# Altium PCB VALVEBOARD_Kun.PcbDoc (part 8 of 13)
Units mil, origin at the board's own origin, x right, y up, seen from the top; angles counter-clockwise.
Board outline 10923.41 x 5583.88 mil, 2 copper layers (Top Layer, Bottom Layer), stack 10.8 mil thick; 1127 components, 626 nets, 3503 pads, 1418 vias.
Unrouted connection lines stored in the file: 1.
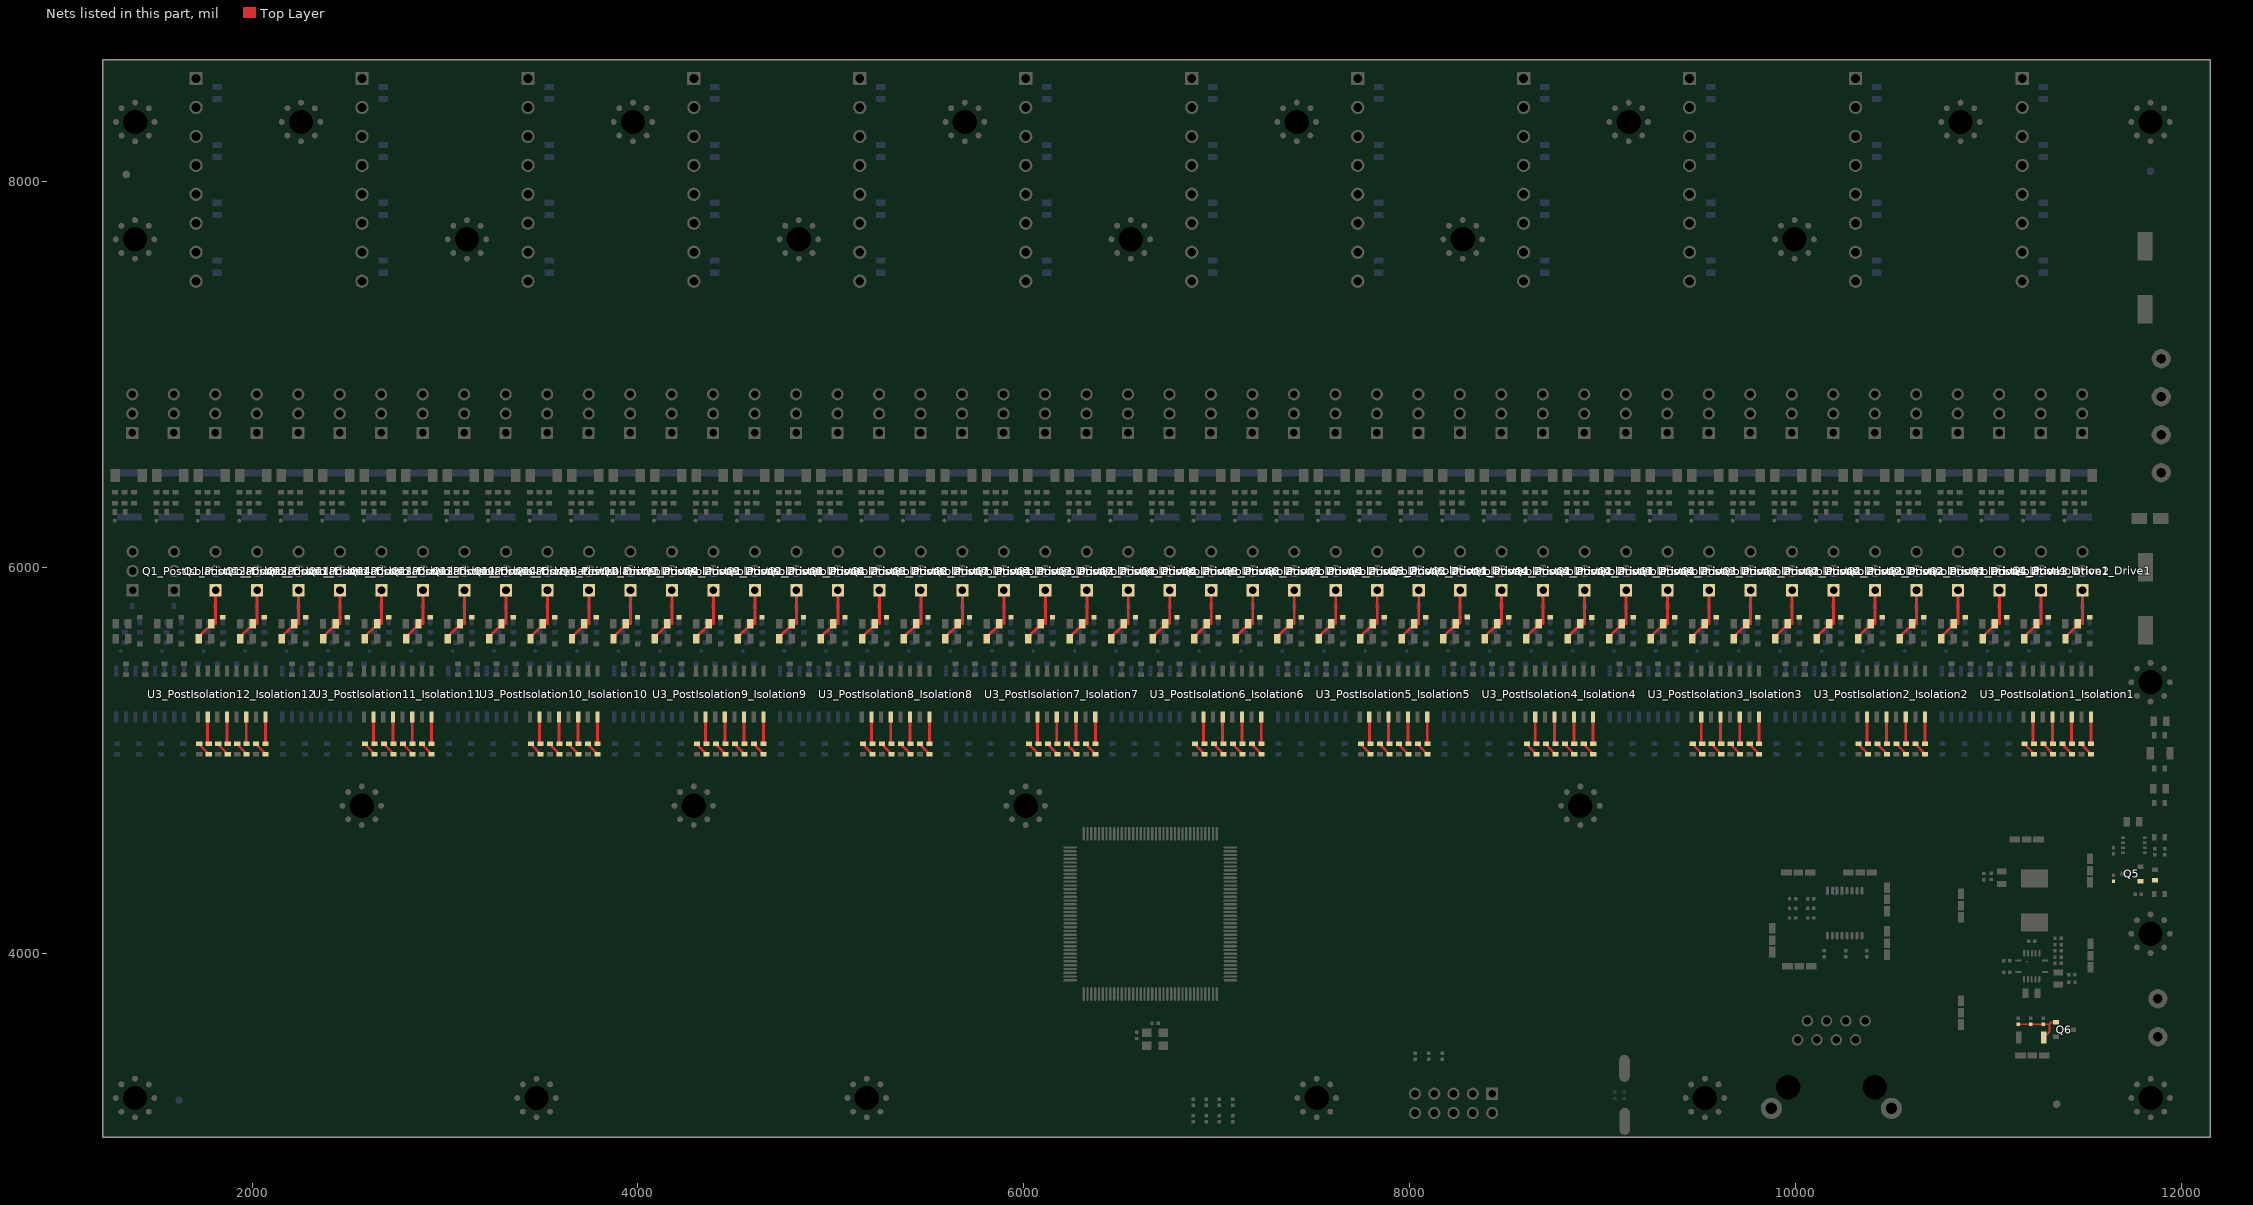
[diagram p8: the nets of this part, all layers, seen from the top]

## Via types
v1: diameter 19.68, hole 11.81, Top Layer to Bottom Layer, tented both sides, 1364 vias
v2: diameter 19.68, hole 11.81, Top Layer to Bottom Layer, 54 vias

## Nets (pads, with @x,y where several pads share a name; then routed paths per layer and width w, separated by ;. In a path a pad name is that pad's centre, name@x,y a point inside that pad or via, vN(x,y) a via of type N, cw(c..) or ccw(c..) an arc to the next point about the centre after c; other vN are vias at no path point) (continued)
NetC40_2: C40.2 D11.1 Q6.G R41.1 R45.2 | length 281.1
  Top Layer w10: C40.2@11153.78,3633.15 R45.2@11218.07,3633.15 R41.1@11282.36,3633.15 11315.67,3633.15 ; D11.1@11285.98,3564.73 11316.31,3595.06 11316.31,3635.24 11323.41,3642.34 Q6.G@11349.52,3642.34
NetC41_2: C41.2 Q5.G R44.1
NetD1_PostIsolation1_Isolation1_1: D1_PostIsolation1_Isolation1.1 R18_PostIsolation1_Isolation1.2 | length 69.5
  Top Layer w12: R18_PostIsolation1_Isolation1.2@11186.98,5082.41 D1_PostIsolation1_Isolation1.1@11236.1,5033.29
NetD1_PostIsolation1_Isolation1_2: D1_PostIsolation1_Isolation1.2 U3_PostIsolation1_Isolation1.2 | length 139.3
  Top Layer w15: U3_PostIsolation1_Isolation1.2@11230.68,5224.44 11230.68,5092.83 D1_PostIsolation1_Isolation1.2@11236.1,5087.41
NetD1_PostIsolation2_Isolation2_1: D1_PostIsolation2_Isolation2.1 R18_PostIsolation2_Isolation2.2 | length 69.5
  Top Layer w12: R18_PostIsolation2_Isolation2.2@10326.85,5082.43 D1_PostIsolation2_Isolation2.1@10375.97,5033.31
NetD1_PostIsolation2_Isolation2_2: D1_PostIsolation2_Isolation2.2 U3_PostIsolation2_Isolation2.2 | length 139.3
  Top Layer w15: U3_PostIsolation2_Isolation2.2@10370.56,5224.46 10370.56,5092.84 D1_PostIsolation2_Isolation2.2@10375.97,5087.43
NetD1_PostIsolation3_Isolation3_1: D1_PostIsolation3_Isolation3.1 R18_PostIsolation3_Isolation3.2 | length 69.5
  Top Layer w12: R18_PostIsolation3_Isolation3.2@9466.79,5082.43 D1_PostIsolation3_Isolation3.1@9515.91,5033.31
NetD1_PostIsolation3_Isolation3_2: D1_PostIsolation3_Isolation3.2 U3_PostIsolation3_Isolation3.2 | length 139.3
  Top Layer w15: U3_PostIsolation3_Isolation3.2@9510.5,5224.46 9510.5,5092.84 D1_PostIsolation3_Isolation3.2@9515.91,5087.43
NetD1_PostIsolation4_Isolation4_1: D1_PostIsolation4_Isolation4.1 R18_PostIsolation4_Isolation4.2 | length 69.5
  Top Layer w12: R18_PostIsolation4_Isolation4.2@8606.79,5082.86 D1_PostIsolation4_Isolation4.1@8655.91,5033.73
NetD1_PostIsolation4_Isolation4_2: D1_PostIsolation4_Isolation4.2 U3_PostIsolation4_Isolation4.2 | length 139.3
  Top Layer w15: U3_PostIsolation4_Isolation4.2@8650.49,5224.89 8650.49,5093.27 D1_PostIsolation4_Isolation4.2@8655.91,5087.86
NetD1_PostIsolation5_Isolation5_1: D1_PostIsolation5_Isolation5.1 R18_PostIsolation5_Isolation5.2 | length 69.5
  Top Layer w12: R18_PostIsolation5_Isolation5.2@7746.73,5082.41 D1_PostIsolation5_Isolation5.1@7795.85,5033.29
NetD1_PostIsolation5_Isolation5_2: D1_PostIsolation5_Isolation5.2 U3_PostIsolation5_Isolation5.2 | length 139.3
  Top Layer w15: U3_PostIsolation5_Isolation5.2@7790.43,5224.44 7790.43,5092.83 D1_PostIsolation5_Isolation5.2@7795.85,5087.41
NetD1_PostIsolation6_Isolation6_1: D1_PostIsolation6_Isolation6.1 R18_PostIsolation6_Isolation6.2 | length 69.5
  Top Layer w12: R18_PostIsolation6_Isolation6.2@6886.66,5082.41 D1_PostIsolation6_Isolation6.1@6935.79,5033.29
NetD1_PostIsolation6_Isolation6_2: D1_PostIsolation6_Isolation6.2 U3_PostIsolation6_Isolation6.2 | length 139.3
  Top Layer w15: U3_PostIsolation6_Isolation6.2@6930.37,5224.44 6930.37,5092.83 D1_PostIsolation6_Isolation6.2@6935.79,5087.41
NetD1_PostIsolation7_Isolation7_1: D1_PostIsolation7_Isolation7.1 R18_PostIsolation7_Isolation7.2 | length 69.5
  Top Layer w12: R18_PostIsolation7_Isolation7.2@6026.6,5082.41 D1_PostIsolation7_Isolation7.1@6075.72,5033.29
NetD1_PostIsolation7_Isolation7_2: D1_PostIsolation7_Isolation7.2 U3_PostIsolation7_Isolation7.2 | length 139.3
  Top Layer w15: U3_PostIsolation7_Isolation7.2@6070.31,5224.44 6070.31,5092.83 D1_PostIsolation7_Isolation7.2@6075.72,5087.41
NetD1_PostIsolation8_Isolation8_1: D1_PostIsolation8_Isolation8.1 R18_PostIsolation8_Isolation8.2 | length 69.5
  Top Layer w12: R18_PostIsolation8_Isolation8.2@5166.54,5082.41 D1_PostIsolation8_Isolation8.1@5215.66,5033.29
NetD1_PostIsolation8_Isolation8_2: D1_PostIsolation8_Isolation8.2 U3_PostIsolation8_Isolation8.2 | length 139.3
  Top Layer w15: U3_PostIsolation8_Isolation8.2@5210.25,5224.44 5210.25,5092.83 D1_PostIsolation8_Isolation8.2@5215.66,5087.41
NetD1_PostIsolation9_Isolation9_1: D1_PostIsolation9_Isolation9.1 R18_PostIsolation9_Isolation9.2 | length 69.5
  Top Layer w12: R18_PostIsolation9_Isolation9.2@4306.48,5082.41 D1_PostIsolation9_Isolation9.1@4355.6,5033.29
NetD1_PostIsolation9_Isolation9_2: D1_PostIsolation9_Isolation9.2 U3_PostIsolation9_Isolation9.2 | length 139.3
  Top Layer w15: U3_PostIsolation9_Isolation9.2@4350.19,5224.44 4350.19,5092.82 D1_PostIsolation9_Isolation9.2@4355.6,5087.41
NetD1_PostIsolation10_Isolation10_1: D1_PostIsolation10_Isolation10.1 R18_PostIsolation10_Isolation10.2 | length 69.5
  Top Layer w12: R18_PostIsolation10_Isolation10.2@3446.42,5082.41 D1_PostIsolation10_Isolation10.1@3495.54,5033.29
NetD1_PostIsolation10_Isolation10_2: D1_PostIsolation10_Isolation10.2 U3_PostIsolation10_Isolation10.2 | length 139.3
  Top Layer w15: U3_PostIsolation10_Isolation10.2@3490.13,5224.44 3490.13,5092.82 D1_PostIsolation10_Isolation10.2@3495.54,5087.41
NetD1_PostIsolation11_Isolation11_1: D1_PostIsolation11_Isolation11.1 R18_PostIsolation11_Isolation11.2 | length 69.5
  Top Layer w12: R18_PostIsolation11_Isolation11.2@2586.36,5082.41 D1_PostIsolation11_Isolation11.1@2635.48,5033.29
NetD1_PostIsolation11_Isolation11_2: D1_PostIsolation11_Isolation11.2 U3_PostIsolation11_Isolation11.2 | length 139.3
  Top Layer w15: U3_PostIsolation11_Isolation11.2@2630.07,5224.44 2630.07,5092.83 D1_PostIsolation11_Isolation11.2@2635.48,5087.41
NetD1_PostIsolation12_Isolation12_1: D1_PostIsolation12_Isolation12.1 R18_PostIsolation12_Isolation12.2 | length 69.5
  Top Layer w12: R18_PostIsolation12_Isolation12.2@1726.3,5082.41 D1_PostIsolation12_Isolation12.1@1775.42,5033.29
NetD1_PostIsolation12_Isolation12_2: D1_PostIsolation12_Isolation12.2 U3_PostIsolation12_Isolation12.2 | length 139.3
  Top Layer w15: U3_PostIsolation12_Isolation12.2@1770,5224.44 1770,5092.83 D1_PostIsolation12_Isolation12.2@1775.42,5087.41
NetD2_PostIsolation1_Isolation1_1: D2_PostIsolation1_Isolation1.1 R19_PostIsolation1_Isolation1.2 | length 69.5
  Top Layer w12: R19_PostIsolation1_Isolation1.2@11285.36,5082.41 D2_PostIsolation1_Isolation1.1@11334.48,5033.29
NetD2_PostIsolation1_Isolation1_2: D2_PostIsolation1_Isolation1.2 U3_PostIsolation1_Isolation1.4 | length 138.6
  Top Layer w15: U3_PostIsolation1_Isolation1.4@11330.68,5224.44 11330.68,5091.21 D2_PostIsolation1_Isolation1.2@11334.48,5087.41
NetD2_PostIsolation2_Isolation2_1: D2_PostIsolation2_Isolation2.1 R19_PostIsolation2_Isolation2.2 | length 69.5
  Top Layer w12: R19_PostIsolation2_Isolation2.2@10425.24,5082.43 D2_PostIsolation2_Isolation2.1@10474.36,5033.31
NetD2_PostIsolation2_Isolation2_2: D2_PostIsolation2_Isolation2.2 U3_PostIsolation2_Isolation2.4 | length 138.6
  Top Layer w15: U3_PostIsolation2_Isolation2.4@10470.56,5224.46 10470.56,5091.23 D2_PostIsolation2_Isolation2.2@10474.36,5087.43
NetD2_PostIsolation3_Isolation3_1: D2_PostIsolation3_Isolation3.1 R19_PostIsolation3_Isolation3.2 | length 69.5
  Top Layer w12: R19_PostIsolation3_Isolation3.2@9565.17,5082.43 D2_PostIsolation3_Isolation3.1@9614.3,5033.31
NetD2_PostIsolation3_Isolation3_2: D2_PostIsolation3_Isolation3.2 U3_PostIsolation3_Isolation3.4 | length 138.6
  Top Layer w15: U3_PostIsolation3_Isolation3.4@9610.5,5224.46 9610.5,5091.23 D2_PostIsolation3_Isolation3.2@9614.3,5087.43
NetD2_PostIsolation4_Isolation4_1: D2_PostIsolation4_Isolation4.1 R19_PostIsolation4_Isolation4.2 | length 69.5
  Top Layer w12: R19_PostIsolation4_Isolation4.2@8705.17,5082.86 D2_PostIsolation4_Isolation4.1@8754.29,5033.73
NetD2_PostIsolation4_Isolation4_2: D2_PostIsolation4_Isolation4.2 U3_PostIsolation4_Isolation4.4 | length 138.6
  Top Layer w15: U3_PostIsolation4_Isolation4.4@8750.49,5224.89 8750.49,5091.65 D2_PostIsolation4_Isolation4.2@8754.29,5087.86
NetD2_PostIsolation5_Isolation5_1: D2_PostIsolation5_Isolation5.1 R19_PostIsolation5_Isolation5.2 | length 69.5
  Top Layer w12: R19_PostIsolation5_Isolation5.2@7845.11,5082.41 D2_PostIsolation5_Isolation5.1@7894.23,5033.29
NetD2_PostIsolation5_Isolation5_2: D2_PostIsolation5_Isolation5.2 U3_PostIsolation5_Isolation5.4 | length 138.6
  Top Layer w15: U3_PostIsolation5_Isolation5.4@7890.43,5224.44 7890.43,5091.21 D2_PostIsolation5_Isolation5.2@7894.23,5087.41
NetD2_PostIsolation6_Isolation6_1: D2_PostIsolation6_Isolation6.1 R19_PostIsolation6_Isolation6.2 | length 69.5
  Top Layer w12: R19_PostIsolation6_Isolation6.2@6985.05,5082.41 D2_PostIsolation6_Isolation6.1@7034.17,5033.29
NetD2_PostIsolation6_Isolation6_2: D2_PostIsolation6_Isolation6.2 U3_PostIsolation6_Isolation6.4 | length 138.6
  Top Layer w15: U3_PostIsolation6_Isolation6.4@7030.37,5224.44 7030.37,5091.21 D2_PostIsolation6_Isolation6.2@7034.17,5087.41
NetD2_PostIsolation7_Isolation7_1: D2_PostIsolation7_Isolation7.1 R19_PostIsolation7_Isolation7.2 | length 69.5
  Top Layer w12: R19_PostIsolation7_Isolation7.2@6124.99,5082.41 D2_PostIsolation7_Isolation7.1@6174.11,5033.29
NetD2_PostIsolation7_Isolation7_2: D2_PostIsolation7_Isolation7.2 U3_PostIsolation7_Isolation7.4 | length 138.6
  Top Layer w15: U3_PostIsolation7_Isolation7.4@6170.31,5224.44 6170.31,5091.21 D2_PostIsolation7_Isolation7.2@6174.11,5087.41
NetD2_PostIsolation8_Isolation8_1: D2_PostIsolation8_Isolation8.1 R19_PostIsolation8_Isolation8.2 | length 69.5
  Top Layer w12: R19_PostIsolation8_Isolation8.2@5264.93,5082.41 D2_PostIsolation8_Isolation8.1@5314.05,5033.29
NetD2_PostIsolation8_Isolation8_2: D2_PostIsolation8_Isolation8.2 U3_PostIsolation8_Isolation8.4 | length 138.6
  Top Layer w15: U3_PostIsolation8_Isolation8.4@5310.25,5224.44 5310.25,5091.21 D2_PostIsolation8_Isolation8.2@5314.05,5087.41
NetD2_PostIsolation9_Isolation9_1: D2_PostIsolation9_Isolation9.1 R19_PostIsolation9_Isolation9.2 | length 69.5
  Top Layer w12: R19_PostIsolation9_Isolation9.2@4404.87,5082.41 D2_PostIsolation9_Isolation9.1@4453.99,5033.29
NetD2_PostIsolation9_Isolation9_2: D2_PostIsolation9_Isolation9.2 U3_PostIsolation9_Isolation9.4 | length 138.6
  Top Layer w15: U3_PostIsolation9_Isolation9.4@4450.19,5224.44 4450.19,5091.21 D2_PostIsolation9_Isolation9.2@4453.99,5087.41
NetD2_PostIsolation10_Isolation10_1: D2_PostIsolation10_Isolation10.1 R19_PostIsolation10_Isolation10.2 | length 69.5
  Top Layer w12: R19_PostIsolation10_Isolation10.2@3544.8,5082.41 D2_PostIsolation10_Isolation10.1@3593.93,5033.29
NetD2_PostIsolation10_Isolation10_2: D2_PostIsolation10_Isolation10.2 U3_PostIsolation10_Isolation10.4 | length 138.6
  Top Layer w15: U3_PostIsolation10_Isolation10.4@3590.13,5224.44 3590.13,5091.21 D2_PostIsolation10_Isolation10.2@3593.93,5087.41
NetD2_PostIsolation11_Isolation11_1: D2_PostIsolation11_Isolation11.1 R19_PostIsolation11_Isolation11.2 | length 69.5
  Top Layer w12: R19_PostIsolation11_Isolation11.2@2684.74,5082.41 D2_PostIsolation11_Isolation11.1@2733.86,5033.29
NetD2_PostIsolation11_Isolation11_2: D2_PostIsolation11_Isolation11.2 U3_PostIsolation11_Isolation11.4 | length 138.6
  Top Layer w15: U3_PostIsolation11_Isolation11.4@2730.07,5224.44 2730.07,5091.21 D2_PostIsolation11_Isolation11.2@2733.86,5087.41
NetD2_PostIsolation12_Isolation12_1: D2_PostIsolation12_Isolation12.1 R19_PostIsolation12_Isolation12.2 | length 69.5
  Top Layer w12: R19_PostIsolation12_Isolation12.2@1824.68,5082.41 D2_PostIsolation12_Isolation12.1@1873.8,5033.29
NetD2_PostIsolation12_Isolation12_2: D2_PostIsolation12_Isolation12.2 U3_PostIsolation12_Isolation12.4 | length 138.6
  Top Layer w15: U3_PostIsolation12_Isolation12.4@1870,5224.44 1870,5091.21 D2_PostIsolation12_Isolation12.2@1873.8,5087.41
NetD3_PostIsolation1_Isolation1_1: D3_PostIsolation1_Isolation1.1 R20_PostIsolation1_Isolation1.2 | length 69.5
  Top Layer w12: R20_PostIsolation1_Isolation1.2@11383.74,5082.41 D3_PostIsolation1_Isolation1.1@11432.86,5033.29
NetD3_PostIsolation1_Isolation1_2: D3_PostIsolation1_Isolation1.2 U3_PostIsolation1_Isolation1.6 | length 137.9
  Top Layer w15: U3_PostIsolation1_Isolation1.6@11430.68,5224.44 11430.68,5089.59 D3_PostIsolation1_Isolation1.2@11432.86,5087.41
NetD3_PostIsolation2_Isolation2_1: D3_PostIsolation2_Isolation2.1 R20_PostIsolation2_Isolation2.2 | length 69.5
  Top Layer w12: R20_PostIsolation2_Isolation2.2@10523.62,5082.43 D3_PostIsolation2_Isolation2.1@10572.74,5033.31
NetD3_PostIsolation2_Isolation2_2: D3_PostIsolation2_Isolation2.2 U3_PostIsolation2_Isolation2.6 | length 137.9
  Top Layer w15: U3_PostIsolation2_Isolation2.6@10570.56,5224.46 10570.56,5089.61 D3_PostIsolation2_Isolation2.2@10572.74,5087.43
NetD3_PostIsolation3_Isolation3_1: D3_PostIsolation3_Isolation3.1 R20_PostIsolation3_Isolation3.2 | length 69.5
  Top Layer w12: R20_PostIsolation3_Isolation3.2@9663.56,5082.43 D3_PostIsolation3_Isolation3.1@9712.68,5033.31
NetD3_PostIsolation3_Isolation3_2: D3_PostIsolation3_Isolation3.2 U3_PostIsolation3_Isolation3.6 | length 137.9
  Top Layer w15: U3_PostIsolation3_Isolation3.6@9710.5,5224.46 9710.5,5089.61 D3_PostIsolation3_Isolation3.2@9712.68,5087.43
NetD3_PostIsolation4_Isolation4_1: D3_PostIsolation4_Isolation4.1 R20_PostIsolation4_Isolation4.2 | length 69.5
  Top Layer w12: R20_PostIsolation4_Isolation4.2@8803.55,5082.86 D3_PostIsolation4_Isolation4.1@8852.67,5033.73
NetD3_PostIsolation4_Isolation4_2: D3_PostIsolation4_Isolation4.2 U3_PostIsolation4_Isolation4.6 | length 137.9
  Top Layer w15: U3_PostIsolation4_Isolation4.6@8850.49,5224.89 8850.49,5090.04 D3_PostIsolation4_Isolation4.2@8852.67,5087.86
NetD3_PostIsolation5_Isolation5_1: D3_PostIsolation5_Isolation5.1 R20_PostIsolation5_Isolation5.2 | length 69.5
  Top Layer w12: R20_PostIsolation5_Isolation5.2@7943.49,5082.41 D3_PostIsolation5_Isolation5.1@7992.61,5033.29
NetD3_PostIsolation5_Isolation5_2: D3_PostIsolation5_Isolation5.2 U3_PostIsolation5_Isolation5.6 | length 137.9
  Top Layer w15: U3_PostIsolation5_Isolation5.6@7990.43,5224.44 7990.43,5089.59 D3_PostIsolation5_Isolation5.2@7992.61,5087.41
NetD3_PostIsolation6_Isolation6_1: D3_PostIsolation6_Isolation6.1 R20_PostIsolation6_Isolation6.2 | length 69.5
  Top Layer w12: R20_PostIsolation6_Isolation6.2@7083.43,5082.41 D3_PostIsolation6_Isolation6.1@7132.55,5033.29
NetD3_PostIsolation6_Isolation6_2: D3_PostIsolation6_Isolation6.2 U3_PostIsolation6_Isolation6.6 | length 137.9
  Top Layer w15: U3_PostIsolation6_Isolation6.6@7130.37,5224.44 7130.37,5089.59 D3_PostIsolation6_Isolation6.2@7132.55,5087.41
NetD3_PostIsolation7_Isolation7_1: D3_PostIsolation7_Isolation7.1 R20_PostIsolation7_Isolation7.2 | length 69.5
  Top Layer w12: R20_PostIsolation7_Isolation7.2@6223.37,5082.41 D3_PostIsolation7_Isolation7.1@6272.49,5033.29
NetD3_PostIsolation7_Isolation7_2: D3_PostIsolation7_Isolation7.2 U3_PostIsolation7_Isolation7.6 | length 137.9
  Top Layer w15: U3_PostIsolation7_Isolation7.6@6270.31,5224.44 6270.31,5089.59 D3_PostIsolation7_Isolation7.2@6272.49,5087.41
NetD3_PostIsolation8_Isolation8_1: D3_PostIsolation8_Isolation8.1 R20_PostIsolation8_Isolation8.2 | length 69.5
  Top Layer w12: R20_PostIsolation8_Isolation8.2@5363.31,5082.41 D3_PostIsolation8_Isolation8.1@5412.43,5033.29
NetD3_PostIsolation8_Isolation8_2: D3_PostIsolation8_Isolation8.2 U3_PostIsolation8_Isolation8.6 | length 137.9
  Top Layer w15: U3_PostIsolation8_Isolation8.6@5410.25,5224.44 5410.25,5089.59 D3_PostIsolation8_Isolation8.2@5412.43,5087.41
NetD3_PostIsolation9_Isolation9_1: D3_PostIsolation9_Isolation9.1 R20_PostIsolation9_Isolation9.2 | length 69.5
  Top Layer w12: R20_PostIsolation9_Isolation9.2@4503.25,5082.41 D3_PostIsolation9_Isolation9.1@4552.37,5033.29
NetD3_PostIsolation9_Isolation9_2: D3_PostIsolation9_Isolation9.2 U3_PostIsolation9_Isolation9.6 | length 137.9
  Top Layer w15: U3_PostIsolation9_Isolation9.6@4550.19,5224.44 4550.19,5089.59 D3_PostIsolation9_Isolation9.2@4552.37,5087.41
NetD3_PostIsolation10_Isolation10_1: D3_PostIsolation10_Isolation10.1 R20_PostIsolation10_Isolation10.2 | length 69.5
  Top Layer w12: R20_PostIsolation10_Isolation10.2@3643.19,5082.41 D3_PostIsolation10_Isolation10.1@3692.31,5033.29
NetD3_PostIsolation10_Isolation10_2: D3_PostIsolation10_Isolation10.2 U3_PostIsolation10_Isolation10.6 | length 137.9
  Top Layer w15: U3_PostIsolation10_Isolation10.6@3690.13,5224.44 3690.13,5089.59 D3_PostIsolation10_Isolation10.2@3692.31,5087.41
NetD3_PostIsolation11_Isolation11_1: D3_PostIsolation11_Isolation11.1 R20_PostIsolation11_Isolation11.2 | length 69.5
  Top Layer w12: R20_PostIsolation11_Isolation11.2@2783.13,5082.41 D3_PostIsolation11_Isolation11.1@2832.25,5033.29
NetD3_PostIsolation11_Isolation11_2: D3_PostIsolation11_Isolation11.2 U3_PostIsolation11_Isolation11.6 | length 137.9
  Top Layer w15: U3_PostIsolation11_Isolation11.6@2830.07,5224.44 2830.07,5089.59 D3_PostIsolation11_Isolation11.2@2832.25,5087.41
NetD3_PostIsolation12_Isolation12_1: D3_PostIsolation12_Isolation12.1 R20_PostIsolation12_Isolation12.2 | length 69.5
  Top Layer w12: R20_PostIsolation12_Isolation12.2@1923.07,5082.41 D3_PostIsolation12_Isolation12.1@1972.19,5033.29
NetD3_PostIsolation12_Isolation12_2: D3_PostIsolation12_Isolation12.2 U3_PostIsolation12_Isolation12.6 | length 137.9
  Top Layer w15: U3_PostIsolation12_Isolation12.6@1970,5224.44 1970,5089.59 D3_PostIsolation12_Isolation12.2@1972.19,5087.41
NetD4_PostIsolation1_Isolation1_1: D4_PostIsolation1_Isolation1.1 R21_PostIsolation1_Isolation1.2 | length 69.5
  Top Layer w12: R21_PostIsolation1_Isolation1.2@11482.13,5082.41 D4_PostIsolation1_Isolation1.1@11531.25,5033.29
NetD4_PostIsolation1_Isolation1_2: D4_PostIsolation1_Isolation1.2 U3_PostIsolation1_Isolation1.8 | length 137.3
  Top Layer w15: U3_PostIsolation1_Isolation1.8@11530.68,5224.44 11530.68,5087.98 D4_PostIsolation1_Isolation1.2@11531.25,5087.41
NetD4_PostIsolation2_Isolation2_1: D4_PostIsolation2_Isolation2.1 R21_PostIsolation2_Isolation2.2 | length 69.5
  Top Layer w12: R21_PostIsolation2_Isolation2.2@10622,5082.43 D4_PostIsolation2_Isolation2.1@10671.12,5033.31
NetD4_PostIsolation2_Isolation2_2: D4_PostIsolation2_Isolation2.2 U3_PostIsolation2_Isolation2.8 | length 137.3
  Top Layer w15: U3_PostIsolation2_Isolation2.8@10670.56,5224.46 10670.56,5087.99 D4_PostIsolation2_Isolation2.2@10671.12,5087.43
NetD4_PostIsolation3_Isolation3_1: D4_PostIsolation3_Isolation3.1 R21_PostIsolation3_Isolation3.2 | length 69.5
  Top Layer w12: R21_PostIsolation3_Isolation3.2@9761.94,5082.43 D4_PostIsolation3_Isolation3.1@9811.06,5033.31
NetD4_PostIsolation3_Isolation3_2: D4_PostIsolation3_Isolation3.2 U3_PostIsolation3_Isolation3.8 | length 137.3
  Top Layer w15: U3_PostIsolation3_Isolation3.8@9810.5,5224.46 9810.5,5087.99 D4_PostIsolation3_Isolation3.2@9811.06,5087.43
NetD4_PostIsolation4_Isolation4_1: D4_PostIsolation4_Isolation4.1 R21_PostIsolation4_Isolation4.2 | length 69.5
  Top Layer w12: R21_PostIsolation4_Isolation4.2@8901.94,5082.86 D4_PostIsolation4_Isolation4.1@8951.06,5033.73
NetD4_PostIsolation4_Isolation4_2: D4_PostIsolation4_Isolation4.2 U3_PostIsolation4_Isolation4.8 | length 137.3
  Top Layer w15: U3_PostIsolation4_Isolation4.8@8950.49,5224.89 8950.49,5088.42 D4_PostIsolation4_Isolation4.2@8951.06,5087.86
NetD4_PostIsolation5_Isolation5_1: D4_PostIsolation5_Isolation5.1 R21_PostIsolation5_Isolation5.2 | length 69.5
  Top Layer w12: R21_PostIsolation5_Isolation5.2@8041.88,5082.41 D4_PostIsolation5_Isolation5.1@8091,5033.29
NetD4_PostIsolation5_Isolation5_2: D4_PostIsolation5_Isolation5.2 U3_PostIsolation5_Isolation5.8 | length 137.3
  Top Layer w15: U3_PostIsolation5_Isolation5.8@8090.43,5224.44 8090.43,5087.98 D4_PostIsolation5_Isolation5.2@8091,5087.41
NetD4_PostIsolation6_Isolation6_1: D4_PostIsolation6_Isolation6.1 R21_PostIsolation6_Isolation6.2 | length 69.5
  Top Layer w12: R21_PostIsolation6_Isolation6.2@7181.81,5082.41 D4_PostIsolation6_Isolation6.1@7230.94,5033.29
NetD4_PostIsolation6_Isolation6_2: D4_PostIsolation6_Isolation6.2 U3_PostIsolation6_Isolation6.8 | length 137.3
  Top Layer w15: U3_PostIsolation6_Isolation6.8@7230.37,5224.44 7230.37,5087.98 D4_PostIsolation6_Isolation6.2@7230.94,5087.41
NetD4_PostIsolation7_Isolation7_1: D4_PostIsolation7_Isolation7.1 R21_PostIsolation7_Isolation7.2 | length 69.5